# KiCad board kup-lulz.kicad_pcb (continued)
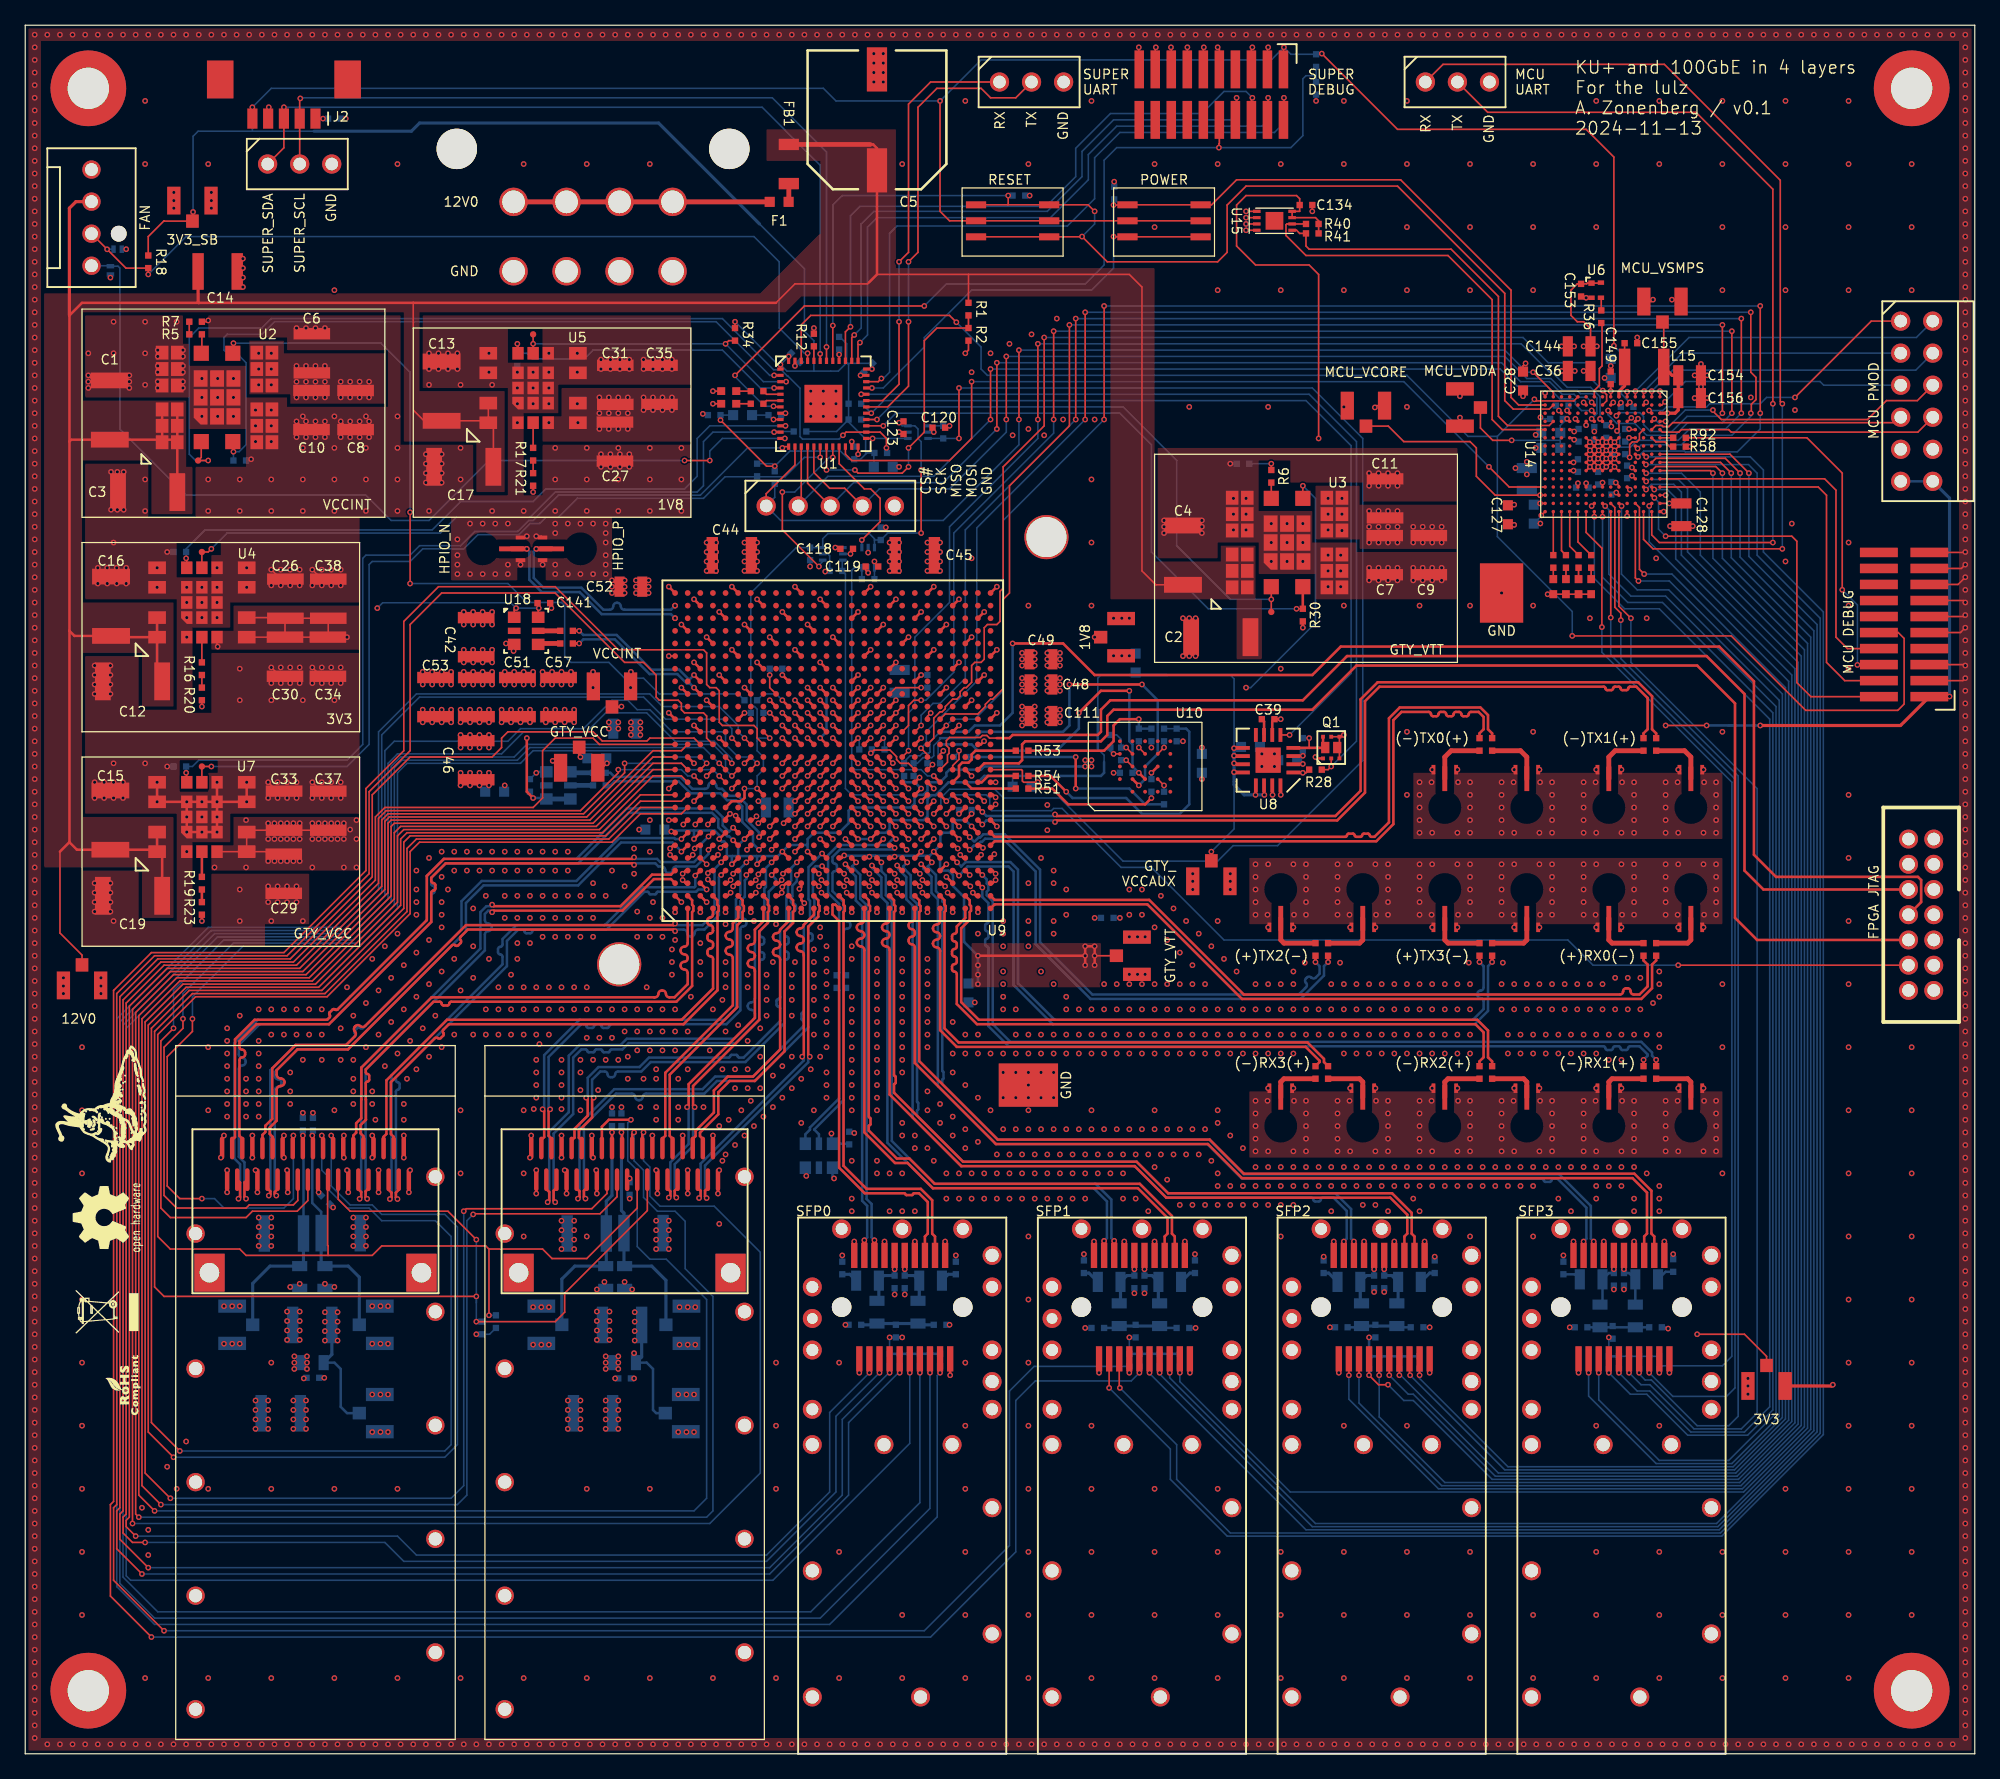
[diagram p0: board, top side]
## Routing (per net, layer and track width the routed paths; a pad name or vN(x,y) marks a point on that pad's centre or on a via; arc(x,y) is an arc through that point) (continued)
/QSFP28 interface/QSFP28B_RX2_P: length 23.8
  Top w0.2: U9.K2 60.85,67.65 60.85,67.29 60.95,67.19 60.95,66.81 60.85,66.71 60.85,65.85 60.17,65.18 60.17,55.68 57.82,53.33 55.82,53.33 54.92,52.43 54.92,50.68 53.47,49.23 53.47,48.96 53.7,48.73
/QSFP28 interface/QSFP28B_RX3_N: length 28.3
  Top w0.2: U9.H1 58.5,66 57.83,65.32 57.83,64.42 arc(57.74,64.23) 57.54,64.14 arc(57.34,64.06) 57.26,63.86 57.26,63.83 arc(57.34,63.63) 57.54,63.54 arc(57.74,63.46) 57.83,63.26 57.83,63.22 arc(57.74,63.03) 57.54,62.94 arc(57.34,62.86) 57.26,62.66 57.26,62.62 arc(57.34,62.43) 57.54,62.34 arc(57.74,62.26) 57.83,62.06 57.83,58.32 52.58,53.07 52.58,51.38 v1(52.45,51.25) ; 50.9,44.8 51.12,44.58 51.12,44.21 v1(51,44.08)
  Bottom w0.2: v1(51,44.08) 51.12,44.21 51.12,46.87 52.58,48.32 52.58,51.12 v1(52.45,51.25)
/QSFP28 interface/QSFP28B_RX3_P: length 28.3
  Top w0.2: 51.7,44.85 51.47,44.62 51.47,44.21 v1(51.6,44.08) ; v1(53.05,51.25) 52.92,51.38 52.92,52.93 58.17,58.18 58.17,65.18 58.85,65.85 58.85,66.71 58.95,66.81 58.95,67.19 58.85,67.29 58.85,67.65 U9.H2
  Bottom w0.2: v1(53.05,51.25) 52.92,51.12 52.92,48.18 51.47,46.73 51.47,44.21 v1(51.6,44.08)
/QSFP28 interface/QSFP28B_RX4_N: length 22
  Top w0.2: 50.5,48.75 50.72,48.97 50.72,53.97 56.08,59.32 56.08,63.06 arc(55.99,63.26) 55.79,63.34 arc(55.59,63.43) 55.51,63.62 55.51,63.66 arc(55.59,63.86) 55.79,63.94 arc(55.99,64.03) 56.08,64.22 56.08,64.26 arc(55.99,64.46) 55.79,64.54 arc(55.59,64.63) 55.51,64.83 55.51,64.86 arc(55.59,65.06) 55.79,65.14 arc(55.99,65.23) 56.08,65.42 56.08,65.82 56.5,66.25 U9.F1
/QSFP28 interface/QSFP28B_RX4_P: length 22
  Top w0.2: 51.3,48.75 51.08,48.97 51.08,53.83 56.42,59.18 56.42,65.68 56.85,66.1 56.85,66.71 56.95,66.81 56.95,67.19 56.85,67.29 56.85,67.65 U9.F2
/QSFP28 interface/QSFP28B_TX1_N: length 43
  Top w0.2: v1(44.4,44) 44.28,44.12 44.28,44.62 44.5,44.85 ; U9.N4 v1(63.15,70.35)
  Bottom w0.2: v1(44.4,44) 44.28,44.12 44.28,49.78 46.82,52.33 48.08,52.33 arc(48.26,52.25) 48.34,52.06 arc(48.41,51.88) 48.6,51.8 48.67,51.8 arc(48.86,51.88) 48.94,52.06 arc(49.01,52.25) 49.2,52.33 53.82,52.33 54.82,53.33 57.82,53.33 62.05,57.55 62.05,64.25 arc(62.1,64.37) 62.22,64.43 arc(62.35,64.48) 62.4,64.6 62.4,64.85 arc(62.35,64.97) 62.22,65.03 arc(62.1,65.08) 62.05,65.2 62.05,65.55 62.54,66.04 62.54,67.75 62.42,67.86 62.42,70.13 62.64,70.35 v1(63.15,70.35)
/QSFP28 interface/QSFP28B_TX1_P: length 43
  Top w0.2: 43.7,44.8 43.92,44.58 43.92,44.12 v1(43.8,44) ; U9.N5 v1(63.15,71.35)
  Bottom w0.2: v1(63.15,71.35) 62.08,70.28 62.08,67.72 62.19,67.6 62.19,66.19 61.7,65.7 61.7,58.83 arc(61.67,58.77) 61.61,58.74 arc(61.54,58.72) 61.52,58.65 61.52,58.23 arc(61.54,58.17) 61.61,58.14 arc(61.67,58.12) 61.7,58.05 61.7,57.7 57.68,53.67 54.68,53.67 53.68,52.67 46.68,52.67 43.92,49.92 43.92,44.12 v1(43.8,44)
/QSFP28 interface/QSFP28B_TX2_N: length 36.9
  Top w0.2: 44.1,48.6 43.88,48.83 43.88,49.38 44.92,50.43 44.92,51.88 v1(45.05,52) ; U9.L4 v1(61.15,69.65)
  Bottom w0.2: v1(45.05,52) 44.92,52.12 44.92,53.43 45.57,54.08 45.92,54.08 arc(46.08,54.01) 46.15,53.85 arc(46.22,53.69) 46.38,53.62 46.53,53.62 arc(46.68,53.69) 46.75,53.85 arc(46.82,54.01) 46.97,54.08 48.82,54.08 49.57,54.83 57.07,54.83 60.17,57.93 60.17,62.8 arc(60.22,62.92) 60.34,62.96 arc(60.45,63.01) 60.5,63.12 60.5,63.4 arc(60.45,63.52) 60.34,63.56 arc(60.22,63.61) 60.17,63.72 60.17,64 arc(60.22,64.12) 60.34,64.16 arc(60.45,64.21) 60.5,64.33 60.5,64.6 arc(60.45,64.72) 60.34,64.76 arc(60.22,64.81) 60.17,64.92 60.17,65.18 60.67,65.68 60.67,66.58 arc(60.73,66.72) 60.88,66.78 arc(61.02,66.83) 61.08,66.97 61.08,67.17 arc(61.02,67.32) 60.88,67.38 arc(60.73,67.43) 60.67,67.58 60.67,67.84 60.8,67.97 60.8,68.8 61.15,69.15 v1(61.15,69.65)
/QSFP28 interface/QSFP28B_TX2_P: length 36.9
  Top w0.2: 43.3,48.6 43.53,48.83 43.53,49.52 44.58,50.57 44.58,51.88 v1(44.45,52) ; U9.L5 v1(61.15,70.65)
  Bottom w0.2: v1(61.15,70.65) 60.7,70.2 60.7,69.2 60.45,68.95 60.45,68.11 60.33,67.99 60.33,65.82 59.83,65.32 59.83,59.96 arc(59.78,59.86) 59.68,59.82 arc(59.58,59.78) 59.54,59.67 59.54,59.36 arc(59.58,59.26) 59.68,59.22 arc(59.78,59.18) 59.83,59.08 59.83,58.07 56.93,55.17 56.58,55.17 arc(56.5,55.21) 56.47,55.28 arc(56.43,55.36) 56.36,55.39 55.97,55.39 arc(55.9,55.36) 55.87,55.28 arc(55.83,55.21) 55.76,55.17 49.43,55.17 48.68,54.42 45.43,54.42 44.58,53.57 44.58,52.12 v1(44.45,52)
/QSFP28 interface/QSFP28B_TX3_N: length 43.5
  Top w0.2: U9.J4 v1(59.15,69.65) ; v1(42,43.72) 41.88,43.84 41.88,44.62 42.1,44.85
  Bottom w0.2: v1(42,43.72) 41.88,43.84 41.88,49.16 43.42,50.71 43.42,55.18 44.07,55.83 44.42,55.83 arc(44.51,55.79) 44.54,55.71 arc(44.57,55.63) 44.65,55.6 45.03,55.6 arc(45.11,55.63) 45.14,55.71 arc(45.17,55.79) 45.25,55.83 45.62,55.83 arc(45.71,55.79) 45.74,55.71 arc(45.77,55.63) 45.85,55.6 46.22,55.6 arc(46.31,55.63) 46.34,55.71 arc(46.37,55.79) 46.45,55.83 47.32,55.83 47.82,56.33 56.32,56.33 58.17,58.18 58.17,62.74 arc(58.23,62.88) 58.37,62.93 arc(58.5,62.99) 58.56,63.12 58.56,63.34 arc(58.5,63.48) 58.37,63.53 arc(58.23,63.59) 58.17,63.72 58.17,63.94 arc(58.23,64.08) 58.37,64.13 arc(58.5,64.19) 58.56,64.33 58.56,64.54 arc(58.5,64.68) 58.37,64.73 arc(58.23,64.79) 58.17,64.92 58.17,65.18 58.92,65.93 58.92,68.33 59.5,68.9 59.5,69.3 v1(59.15,69.65)
/QSFP28 interface/QSFP28B_TX3_P: length 43.5
  Top w0.2: v1(41.4,43.72) 41.52,43.84 41.52,44.53 41.3,44.75 ; U9.J5 v1(59.15,70.65)
  Bottom w0.2: v1(59.15,70.65) 58.7,70.2 58.7,68.7 58.58,68.58 58.58,66.07 57.83,65.32 57.83,59.84 arc(57.74,59.64) 57.54,59.56 arc(57.34,59.48) 57.26,59.28 57.26,59.24 arc(57.34,59.04) 57.54,58.96 arc(57.74,58.88) 57.83,58.67 57.83,58.32 56.18,56.67 47.68,56.67 47.18,56.17 43.93,56.17 43.08,55.32 43.08,50.85 41.52,49.3 41.52,43.84 v1(41.4,43.72)
/QSFP28 interface/QSFP28B_TX4_N: length 36
  Top w0.125: U9.G4 v1(57.15,69.65)
  Top w0.2: 41.7,48.75 41.48,48.97 41.48,50.95 v1(41.6,51.08)
  Bottom w0.2: v1(41.6,51.08) 41.48,51.2 41.48,55.23 44.07,57.83 44.33,57.83 arc(44.43,57.78) 44.47,57.68 arc(44.52,57.57) 44.62,57.53 44.92,57.53 arc(45.03,57.57) 45.07,57.68 arc(45.12,57.78) 45.22,57.83 45.53,57.83 arc(45.63,57.78) 45.67,57.68 arc(45.72,57.57) 45.82,57.53 46.12,57.53 arc(46.23,57.57) 46.27,57.68 arc(46.32,57.78) 46.42,57.83 55.57,57.83 56.67,58.93 56.67,65.35 arc(56.74,65.52) 56.91,65.59 arc(57.08,65.66) 57.15,65.83 57.15,65.95 arc(57.08,66.12) 56.91,66.19 arc(56.74,66.26) 56.67,66.42 56.67,67.58 57.03,67.93 57.03,69.22 57.15,69.35 v1(57.15,69.65)
/QSFP28 interface/QSFP28B_TX4_P: length 36.1
  Top w0.125: U9.G5 v1(57.15,70.65)
  Top w0.2: v1(41,51.08) 41.12,50.95 41.12,48.88 40.9,48.65
  Bottom w0.2: v1(57.15,70.65) 56.67,70.17 56.67,68.07 56.33,67.72 56.33,59.07 55.43,58.17 43.93,58.17 41.12,55.37 41.12,51.2 v1(41,51.08)
/RC1_N: length 13.5
  Bottom w0.2: C138.1 64.85,60.5 64.85,51.8 62.54,49.49 62.54,49.46 62.9,49.1 U16.5
/RC1_P: length 13.5
  Bottom w0.2: U16.4 61.83,49.1 62.19,49.46 62.19,49.63 64.5,51.95 64.5,60.5 C137.1
/RC2_N: length 1.8
  Bottom w0.38: C140.1 U17.5
/RC2_P: length 1.7
  Bottom w0.38: C139.1 43.27,77.75
/REFCLK1_N: length 16.6
  Top w0.2: U9.V6 68.7,72 v1(68.9,71.8)
  Bottom w0.2: C138.2 64.85,61.9 64.85,65.15 arc(64.92,65.32) 65.09,65.39 65.14,65.39 arc(65.31,65.46) 65.38,65.63 65.38,65.75 arc(65.31,65.92) 65.14,65.99 65.09,65.99 arc(64.92,66.06) 64.85,66.23 64.85,67.5 63.97,68.37 63.97,69.78 arc(64.03,69.9) 64.15,69.95 arc(64.27,70) 64.33,70.12 64.33,70.38 arc(64.27,70.5) 64.15,70.55 arc(64.03,70.6) 63.97,70.72 63.97,71.08 64.57,71.68 68.78,71.68 v1(68.9,71.8)
/REFCLK1_P: length 16.6
  Top w0.2: U9.V7 v1(69,72.5)
  Bottom w0.2: C137.2 64.5,61.9 64.5,67.35 63.62,68.23 63.62,71.22 64.43,72.03 68.28,72.03 68.75,72.5 v1(69,72.5)
/REFCLK2_N: length 16.3
  Top w0.125: U9.H6 v1(58.15,71.65)
  Bottom w0.2: C140.2 46.38,76.75 46.7,77.08 51.78,77.08 52.73,76.12 55.08,76.12 55.63,75.58 56.34,75.58 56.83,75.09 56.83,73.86 57.67,73.01 57.67,72.12 v1(58.15,71.65)
/REFCLK2_P: length 16.3
  Top w0.2: U9.H7 v1(58.15,72.65)
  Bottom w0.2: v1(58.15,72.65) 58.15,73.03 57.17,74 57.17,75.23 56.48,75.92 55.77,75.92 55.22,76.47 55.03,76.47 arc(54.83,76.55) 54.75,76.75 arc(54.68,76.94) 54.48,77.02 54.42,77.02 arc(54.23,76.94) 54.15,76.75 arc(54.08,76.55) 53.88,76.47 52.87,76.47 51.92,77.42 46.7,77.42 46.38,77.75 C139.2
/SFP28 interfaces/SFP0_3V3: length 5.6
  Bottom w0.25: C74.1 70.85,34 ; C73.1 67.4,34 ; L6.2 L5.2
/SFP28 interfaces/SFP0_I2C_SCL: length 177.9
  Top w0.125: v1(9.25,14.25) 7.25,16.25 7.25,19.25 7.5,19.5 7.5,60 10.5,63 21,63 27.5,69.5 27.5,76 30.5,79 37,79 37.75,79.75 37.75,80.5 38.25,81 45,81 45.72,80.28 49.28,80.28 49.5,80.5 53,80.5 U9.C14 ; J11.5 v1(69.3,30.2)
  Bottom w0.125: v1(69.3,30.2) 69.2,30.2 65.25,26.25 65.25,20.5 59,14.25 v1(9.25,14.25)
  Bottom w0.2: R80.1 v1(69.3,30.2)
/SFP28 interfaces/SFP0_I2C_SDA: length 174
  Top w0.125: J11.4 v1(68.5,30.2) ; U9.A14 45.5,80 45,80.5 42,80.5 41,79.5 41,75.75 40.25,75 28.5,75 27.75,74.25 27.75,69.25 21.25,62.75 10.75,62.75 7.75,59.75 7.75,19.25 7.5,19 7.5,17 v1(9.75,14.75)
  Bottom w0.125: v1(9.75,14.75) 59,14.75 64.75,20.5 64.75,26.5 68.45,30.2 v1(68.5,30.2)
  Bottom w0.2: R79.1 v1(68.5,30.2)
/SFP28 interfaces/SFP0_RX_N: length 34.3
  Top w0.2: U9.P1 64.2,67.3 64,67.3 63.97,67.28 63.97,66.53 64.5,66 64.5,46.45 66.53,44.42 69.68,44.42 arc(69.73,44.4) 69.75,44.35 arc(69.77,44.3) 69.83,44.28 70.28,44.28 arc(70.33,44.3) 70.35,44.35 arc(70.37,44.4) 70.42,44.42 70.83,44.42 71.53,43.73 71.53,41.23 71.3,41 J11.13
/SFP28 interfaces/SFP0_RX_P: length 34.2
  Top w0.2: U9.P2 64.85,67.65 64.85,67.29 64.95,67.19 64.95,66.81 64.85,66.71 64.85,46.6 66.67,44.78 70.97,44.78 71.88,43.87 71.88,41.23 72.1,41 J11.12
/SFP28 interfaces/SFP0_TX_N: length 32.5
  Top w0.2: U9.R4 v1(65,70.5)
  Top w0.38: J11.19 v1(66.5,40.7)
  Bottom w0.2: v1(66.5,40.7) 66.72,40.92 66.72,43.43 66.33,43.83 66.33,67.13 65.83,67.63 65.83,69.53 65.17,70.18 65.17,70.33 v1(65,70.5)
/SFP28 interfaces/SFP0_TX_P: length 32.5
  Top w0.2: U9.R5 v1(65.85,70.65)
  Top w0.38: J11.18 v1(67.3,40.7)
  Bottom w0.2: v1(65.85,70.65) 65.53,70.33 65.53,70.32 66.17,69.67 66.17,67.77 66.67,67.27 66.67,43.97 67.08,43.57 67.08,40.92 v1(67.3,40.7)
/SFP28 interfaces/SFP0_VDD_RX: length 4.4
  Top w0.25: J11.15 v1(69.7,38.4)
  Bottom w0.25: v1(69.7,38.4) C77.1 70.45,37.9 C75.1 70.85,36
/SFP28 interfaces/SFP0_VDD_TX: length 4.5
  Top w0.25: J11.16 v1(68.9,38.4)
  Bottom w0.25: 67.65,36.05 C76.1 68.05,37.9 C78.1 v1(68.9,38.4)
/SFP28 interfaces/SFP1_3V3: length 5.5
  Bottom w0.2: C68.1 90.05,33.75 ; C67.1 86.55,33.75
  Bottom w0.25: L4.2 L3.2
/SFP28 interfaces/SFP1_I2C_SCL: length 231.4
  Top w0.125: v1(10,9.25) 6.75,12.5 6.75,19.75 7,20 7,60.5 10,63.5 20.5,63.5 27,70 27,76.5 30,79.5 30,89.75 32.75,92.5 42,92.5 47,87.5 53.75,87.5 54,87.25 54,84.75 54.25,84.5 54.75,84.5 55,84.25 55,81.75 55.25,81.5 57.75,81.5 58,81.25 58,80.5 U9.H14
  Top w0.2: J9.5 v1(88.3,30.2)
  Bottom w0.125: v1(10,9.25) 71.75,9.25 78.5,16 78.5,28 80.05,29.55 87.65,29.55 v1(88.3,30.2)
  Bottom w0.2: R73.1 v1(88.3,30.2)
/SFP28 interfaces/SFP1_I2C_SDA: length 223.6
  Top w0.125: U9.D14 54,80.5 54,82.25 53.75,82.5 52.25,82.5 52,82.75 52,83.25 51.75,83.5 50.25,83.5 50,83.75 50,85.5 49,86.5 47.5,86.5 42,92 33,92 30.5,89.5 30.5,79.5 27.25,76.25 27.25,69.75 20.75,63.25 10.25,63.25 7.25,60.25 7.25,19.75 7,19.5 7,13.75 v1(11,9.75)
  Top w0.2: J9.4 v1(87.5,30.2)
  Bottom w0.125: R72.1 79.95,30.7 78,28.75 78,16.5 71.25,9.75 v1(11,9.75)
  Bottom w0.2: R72.1 v1(87.5,30.2)
/SFP28 interfaces/SFP1_RX_N: length 49
  Top w0.2: J9.13 90.3,41 90.53,41.23 90.53,42.48 88.18,44.83 71.93,44.83 69.93,46.83 68.93,46.83 66.5,49.25 66.5,63.7 arc(66.41,63.91) 66.2,64 arc(65.99,64.09) 65.9,64.3 arc(65.99,64.51) 66.2,64.6 arc(66.41,64.69) 66.5,64.9 arc(66.41,65.11) 66.2,65.2 arc(65.99,65.29) 65.9,65.5 arc(65.99,65.71) 66.2,65.8 arc(66.41,65.89) 66.5,66.1 U9.T1
/SFP28 interfaces/SFP1_RX_P: length 49
  Top w0.2: J9.12 91.1,41 90.88,41.23 90.88,42.62 88.32,45.17 72.07,45.17 70.07,47.17 69.07,47.17 66.85,49.4 66.85,49.75 arc(66.87,49.8) 66.92,49.82 arc(66.97,49.84) 66.99,49.89 66.99,50.35 arc(66.97,50.4) 66.92,50.42 arc(66.87,50.44) 66.85,50.49 66.85,66.71 66.95,66.81 66.95,67.19 66.85,67.29 66.85,67.65 U9.T2
/SFP28 interfaces/SFP1_TX_N: length 46.7
  Top w0.2: U9.U4 v1(67.1,70.4)
  Top w0.38: J9.19 v1(85.5,40.65)
  Bottom w0.2: v1(85.5,40.65) 85.72,40.88 85.72,43.78 84.68,44.83 71.93,44.83 68.33,48.43 68.33,67.43 67.85,67.9 67.85,69.46 67.38,69.94 67.38,69.95 67.17,70.15 67.17,70.33 v1(67.1,70.4)
/SFP28 interfaces/SFP1_TX_P: length 46.8
  Top w0.2: U9.U5 v1(67.85,70.65)
  Top w0.38: J9.18 v1(86.3,40.65)
  Bottom w0.2: v1(86.3,40.65) 86.08,40.88 86.08,43.92 84.82,45.17 72.07,45.17 68.67,48.57 68.67,67.57 68.2,68.05 68.2,69.61 67.85,69.96 v1(67.85,70.65)
/SFP28 interfaces/SFP1_VDD_RX: length 4.5
  Top w0.125: J9.15 v1(88.7,38.4)
  Bottom w0.2: v1(88.7,38.4) C71.1
  Bottom w0.25: 89.8,35.8 C69.1 89.3,37.9 C71.1
/SFP28 interfaces/SFP1_VDD_TX: length 4.5
  Top w0.125: J9.16 v1(87.9,38.4)
  Bottom w0.2: v1(87.9,38.4) C72.1
  Bottom w0.25: 86.8,35.8 C70.1 87.3,37.9 C72.1
/SFP28 interfaces/SFP2_3V3: length 4.8
  Bottom w0.2: C61.1 105.8,33.8 ; C62.1 108.8,33.8
  Bottom w0.25: L2.2 L1.2
/SFP28 interfaces/SFP2_I2C_SCL: length 124.1
  Top w0.125: U14.C11 v1(128.46,100.84) ; J7.5 v1(107.3,30)
  Bottom w0.125: v1(128.46,100.84) 128.62,101 131,101 131.74,100.26 131.74,95.26 140.5,86.5 140.5,26.13 135.87,21.5 112.5,21.5 107.3,26.7 v1(107.3,30)
  Bottom w0.2: R66.1 v1(107.3,30)
/SFP28 interfaces/SFP2_I2C_SDA: length 121.8
  Top w0.125: U14.C12 v1(128.45,100.2) ; J7.4 v1(106.5,30) 107.25,29.25 v1(108,29.25)
  Bottom w0.125: v1(108,29.25) 109.25,28 110,28 116.25,21.75 135.77,21.75 140.25,26.23 140.25,86 131.25,95 131.25,100 130.64,100.61 128.86,100.61 v1(128.45,100.2)
  Bottom w0.2: R65.1 v1(106.5,30)
/SFP28 interfaces/SFP2_RX_N: length 64.4
  Top w0.2: U9.V1 68.5,66.1 arc(68.41,65.89) 68.2,65.8 arc(67.99,65.71) 67.9,65.5 arc(67.99,65.29) 68.2,65.2 arc(68.41,65.11) 68.5,64.9 arc(68.41,64.69) 68.2,64.6 arc(67.99,64.51) 67.9,64.3 arc(67.99,64.09) 68.2,64 arc(68.41,63.91) 68.5,63.7 68.5,52.25 74.18,46.58 87.92,46.58 90.42,44.08 108.18,44.08 109.53,42.73 109.53,41.23 109.3,41 J7.13
/SFP28 interfaces/SFP2_RX_P: length 64.4
  Top w0.2: U9.V2 68.85,67.65 68.85,67.29 68.95,67.19 68.95,66.81 68.85,66.71 68.85,53.79 arc(68.87,53.74) 68.92,53.72 arc(68.97,53.7) 68.99,53.65 68.99,53.19 arc(68.97,53.14) 68.92,53.12 arc(68.87,53.1) 68.85,53.05 68.85,52.4 74.32,46.92 88.08,46.92 90.58,44.42 108.32,44.42 109.88,42.87 109.88,41.23 110.1,41 J7.12
/SFP28 interfaces/SFP2_TX_N: length 62.5
  Top w0.2: U9.W4 v1(69.1,70.4) ; J7.19 v1(104.5,40.6)
  Bottom w0.2: v1(104.5,40.6) 104.72,40.83 104.72,43.03 103.68,44.08 102.83,44.08 arc(102.72,44.03) 102.67,43.92 arc(102.63,43.82) 102.53,43.78 102.22,43.78 arc(102.12,43.82) 102.08,43.92 arc(102.03,44.03) 101.92,44.08 90.43,44.08 87.93,46.58 74.18,46.58 70.33,50.43 70.33,67.23 69.83,67.73 69.83,69.48 69.38,69.93 69.38,69.95 69.2,70.12 69.2,70.3 v1(69.1,70.4)
/SFP28 interfaces/SFP2_TX_P: length 62.5
  Top w0.2: 69.55,71 v1(69.9,70.65) ; J7.18 v1(105.3,40.6)
  Bottom w0.2: v1(105.3,40.6) 105.08,40.83 105.08,43.17 103.82,44.42 90.57,44.42 88.07,46.92 74.32,46.92 70.67,50.57 70.67,50.97 arc(70.69,51.01) 70.72,51.03 arc(70.76,51.04) 70.78,51.08 70.78,51.58 arc(70.76,51.61) 70.72,51.62 arc(70.69,51.64) 70.67,51.67 70.67,67.37 70.17,67.87 70.17,69.62 69.72,70.07 69.72,70.09 69.58,70.24 69.58,70.33 v1(69.9,70.65)
/SFP28 interfaces/SFP2_VDD_RX: length 4.5
  Top w0.25: J7.15 v1(107.7,38.4)
  Bottom w0.25: v1(107.7,38.4) C65.1 108.3,37.9 C63.1 108.8,35.8
/SFP28 interfaces/SFP2_VDD_TX: length 4.5
  Top w0.25: J7.16 v1(106.9,38.4)
  Bottom w0.25: v1(106.9,38.4) C66.1 106.3,37.9 C64.1 105.8,35.8
/SFP28 interfaces/SFP3_3V3: length 4.7
  Bottom w0.2: L14.2 C112.1 ; C113.1 L13.2 125,33.8
/SFP28 interfaces/SFP3_I2C_SCL: length 94.1
  Top w0.125: U14.J15 v1(124.35,98.05) ; J33.5 v1(126.3,30.2)
  Bottom w0.125: v1(124.35,98.05) 124.35,93.15 126.75,90.75 129.5,90.75 138.25,82 138.25,27.5 136.25,25.5 132,25.5 128.75,28.75 127.75,28.75 v1(126.3,30.2)
/SFP28 interfaces/SFP3_I2C_SDA: length 95.4
  Top w0.125: U14.H15 v1(125,98.05) ; J33.4 v1(125.5,30.2)
  Bottom w0.125: v1(125,98.05) 125,93.25 127,91.25 129.75,91.25 138.5,82.5 138.5,27.25 136.5,25.25 131.75,25.25 128.5,28.5 127.2,28.5 v1(125.5,30.2)
/SFP28 interfaces/SFP3_RX_N: length 80.7
  Top w0.2: J33.13 128.3,41 128.53,41.23 128.53,44.48 127.38,45.62 96.43,45.62 93.73,48.33 76.93,48.33 70.5,54.75 70.5,63.91 arc(70.43,64.09) 70.26,64.16 arc(70.09,64.23) 70.01,64.4 70.01,64.51 arc(70.09,64.69) 70.26,64.76 arc(70.43,64.83) 70.5,65 70.5,65.11 arc(70.43,65.29) 70.26,65.36 arc(70.09,65.43) 70.01,65.6 70.01,65.71 arc(70.09,65.89) 70.26,65.96 arc(70.43,66.03) 70.5,66.2 U9.Y1
/SFP28 interfaces/SFP3_RX_P: length 80.8
  Top w0.2: U9.Y2 70.85,67.65 70.85,67.29 70.95,67.19 70.95,66.81 70.85,66.71 70.85,54.9 77.07,48.67 93.87,48.67 96.57,45.97 127.52,45.97 128.88,44.62 128.88,41.23 129.1,41 J33.12
/SFP28 interfaces/SFP3_TX_N: length 78.4
  Top w0.2: U9.AA4 v1(71,70.5) ; J33.19 v1(123.5,40.6)
  Bottom w0.2: v1(71,70.5) 71.17,70.33 71.17,70.16 71.83,69.51 71.83,68.23 72.33,67.73 72.33,52.93 76.93,48.33 93.68,48.33 96.43,45.58 120.23,45.58 arc(120.31,45.54) 120.35,45.45 arc(120.39,45.36) 120.47,45.33 120.83,45.33 arc(120.91,45.36) 120.95,45.45 arc(120.99,45.54) 121.07,45.58 121.43,45.58 123.72,43.28 123.72,40.83 v1(123.5,40.6)
/SFP28 interfaces/SFP3_TX_P: length 78.4
  Top w0.2: U9.AA5 v1(71.85,70.65) ; J33.18 v1(124.3,40.6)
  Bottom w0.2: v1(124.3,40.6) 124.07,40.83 124.07,43.42 121.57,45.92 96.57,45.92 93.82,48.67 77.07,48.67 72.67,53.07 72.67,53.42 arc(72.69,53.46) 72.72,53.47 arc(72.76,53.49) 72.78,53.53 72.78,54.03 arc(72.76,54.06) 72.72,54.08 arc(72.69,54.09) 72.67,54.12 72.67,66.83 arc(72.7,66.88) 72.75,66.9 arc(72.8,66.92) 72.83,66.97 72.83,67.42 arc(72.8,67.48) 72.75,67.5 arc(72.7,67.52) 72.67,67.58 72.67,67.87 72.17,68.37 72.17,69.65 71.53,70.3 71.53,70.33 v1(71.85,70.65)
/SFP28 interfaces/SFP3_VDD_RX: length 4.2